# Altium PCB adc_brd_raton_v0.PcbDoc (part 4 of 5)
Units mm, origin at the board's own origin, x right, y up, seen from the top; angles counter-clockwise.
Board outline 276.61 x 128.4 mm, 2 copper layers (Top Layer, Bottom Layer); 535 components, 265 nets, 1345 pads, 548 vias.
Unrouted connection lines stored in the file: 67.
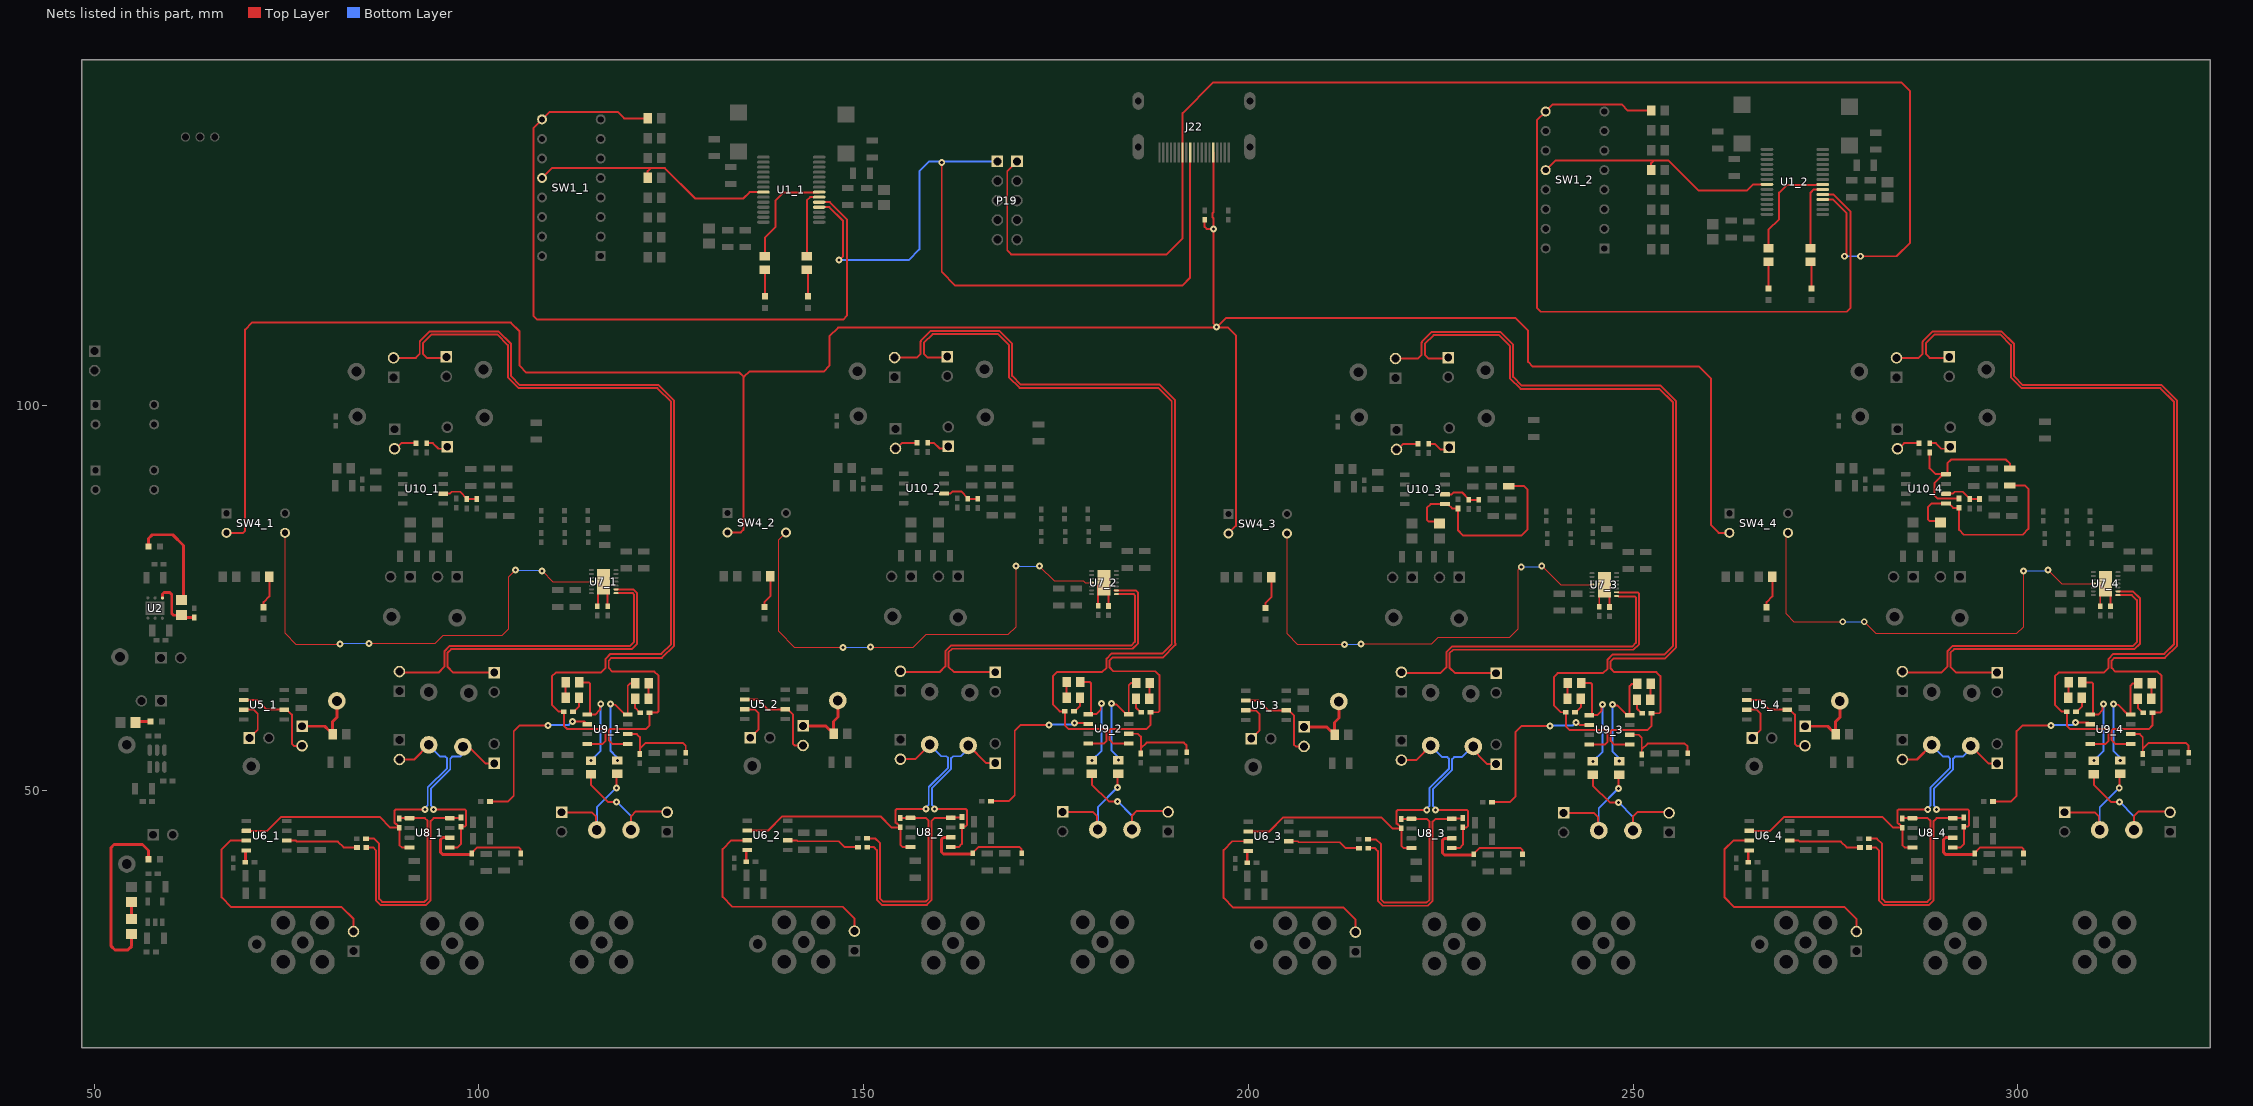
[diagram p4: the nets of this part, all layers, seen from the top]

## Via types
v1: diameter 0.9, hole 0.4, Top Layer to Bottom Layer, tented both sides, 521 vias
v2: diameter 0.9, hole 0.4, Top Layer to Bottom Layer, 23 vias
v3: diameter 6, hole 3.15, Top Layer to Bottom Layer, 4 vias

## Nets (pads, with @x,y where several pads share a name; then routed paths per layer and width w, separated by ;. In a path a pad name is that pad's centre, name@x,y a point inside that pad or via, vN(x,y) a via of type N, cw(c..) or ccw(c..) an arc to the next point about the centre after c; other vN are vias at no path point) (continued)
NetC47_3_2: C47_3.2 R35_3.1 R37_3.2 U10_3.5 | length 28.1
  Top Layer w0.254: R35_3.1@224.832,84.67 224.623,84.879 223.435,84.879 223.207,85.108 223.207,86.682 223.689,87.165 U10_3.5@225.552,87.165 225.902,87.165 226.467,86.6 R37_3.2@227.245,86.6 227.245,83.736 227.88,83.101 235.5,83.101 236.262,83.863 236.262,89.07 235.838,89.494 C47_3.2@233.849,89.494
NetC47_4_1: C47_4.1 R34_4.2 R37_4.1 U10_4.8 | length 21.8
  Top Layer w0.254: R34_4.2@288.544,93.888 288.544,91.821 289.306,91.059 U10_4.8@290.311,91.059 ; R37_4.1@292.354,87.884 289.56,87.884 289.179,88.265 289.179,89.916 289.941,90.678 289.941,90.689 U10_4.8@290.311,91.059 ; C47_4.1@298.958,91.778 298.958,92.456 298.45,92.964 291.338,92.964 290.83,92.456 290.83,91.207 290.682,91.059 U10_4.8@290.661,91.059 U10_4.8@290.311,91.059
NetC47_4_2: C47_4.2 R35_4.1 R37_4.2 U10_4.5 | length 28.1
  Top Layer w0.254: R35_4.1@289.941,84.754 289.732,84.963 288.544,84.963 288.315,85.192 288.315,86.766 288.798,87.249 U10_4.5@290.661,87.249 291.011,87.249 291.576,86.684 R37_4.2@292.354,86.684 292.354,83.82 292.989,83.185 300.609,83.185 301.371,83.947 301.371,89.154 300.947,89.578 C47_4.2@298.958,89.578
NetJ4_1_1: J4_1.1 P4_1.1 R15_1.1 | length 8.9
  Top Layer w0.381: P4_1.1@77.013,58.293 79.962,58.293 80.494,57.761 80.619,57.761 R15_1.1@80.978,57.402 ; R15_1.1@80.978,57.277 R15_1.1@80.978,57.402 ; J4_1.1@81.534,61.595 81.556,61.573 81.556,59.458 80.978,58.88 R15_1.1@80.978,57.402
NetJ4_2_1: J4_2.1 P4_2.1 R15_2.1 | length 8.9
  Top Layer w0.381: P4_2.1@142.122,58.336 145.071,58.336 145.602,57.804 145.727,57.804 R15_2.1@146.087,57.445 ; R15_2.1@146.087,57.32 R15_2.1@146.087,57.445 ; J4_2.1@146.643,61.638 146.664,61.616 146.664,59.501 146.087,58.923 R15_2.1@146.087,57.445
NetJ4_3_1: J4_3.1 P4_3.1 R15_3.1 | length 8.9
  Top Layer w0.381: P4_3.1@207.23,58.209 210.179,58.209 210.711,57.677 210.836,57.677 R15_3.1@211.195,57.318 ; R15_3.1@211.195,57.193 R15_3.1@211.195,57.318 ; J4_3.1@211.751,61.511 211.773,61.489 211.773,59.374 211.195,58.796 R15_3.1@211.195,57.318
NetJ4_4_1: J4_4.1 P4_4.1 R15_4.1 | length 8.9
  Top Layer w0.381: P4_4.1@272.339,58.293 275.288,58.293 275.819,57.761 275.944,57.761 R15_4.1@276.304,57.402 ; R15_4.1@276.304,57.277 R15_4.1@276.304,57.402 ; J4_4.1@276.86,61.595 276.882,61.573 276.882,59.458 276.304,58.88 R15_4.1@276.304,57.402
NetJ8_1_1: J8_1.1 P7_1.1 R16_1.2 U8_1.5 | length 26.7
  Top Layer w0.254: v1(94.107,47.498) 98.171,47.498 98.298,47.371 98.298,45.396 98.149,45.247 R16_1.2@97.663,45.247 97.663,42.978 97.23,42.545 U8_1.5@96.224,42.545 ; J8_1.1@98.002,55.753 98.552,55.753 100.838,53.467 P7_1.1@101.981,53.467
  Bottom Layer w0.254: v1(94.107,47.498) 94.107,47.673 93.751,48.028 93.751,50.19 96.266,52.705 96.266,54.102 96.52,54.356 97.536,54.356 98.552,55.372 J8_1.1@98.552,55.753
NetJ8_2_1: J8_2.1 P7_2.1 R16_2.2 U8_2.5 | length 26.7
  Top Layer w0.254: v1(159.216,47.541) 163.28,47.541 163.407,47.414 163.407,45.439 163.258,45.29 R16_2.2@162.772,45.29 162.772,43.021 162.339,42.588 U8_2.5@161.333,42.588 ; J8_2.1@163.111,55.796 163.661,55.796 165.947,53.51 P7_2.1@167.09,53.51
  Bottom Layer w0.254: v1(159.216,47.541) 159.216,47.716 158.86,48.071 158.86,50.233 161.375,52.748 161.375,54.145 161.629,54.399 162.645,54.399 163.661,55.415 J8_2.1@163.661,55.796
NetJ8_3_1: J8_3.1 P7_3.1 R16_3.2 U8_3.5 | length 26.7
  Top Layer w0.254: v1(224.324,47.414) 228.388,47.414 228.515,47.287 228.515,45.312 228.367,45.163 R16_3.2@227.88,45.163 227.88,42.894 227.447,42.461 U8_3.5@226.441,42.461 ; J8_3.1@228.219,55.669 228.769,55.669 231.055,53.383 P7_3.1@232.198,53.383
  Bottom Layer w0.254: v1(224.324,47.414) 224.324,47.589 223.969,47.944 223.969,50.106 226.483,52.621 226.483,54.018 226.737,54.272 227.753,54.272 228.769,55.288 J8_3.1@228.769,55.669
NetJ8_4_1: J8_4.1 P7_4.1 R16_4.2 U8_4.5 | length 26.7
  Top Layer w0.254: v1(289.433,47.498) 293.497,47.498 293.624,47.371 293.624,45.396 293.475,45.247 R16_4.2@292.989,45.247 292.989,42.978 292.556,42.545 U8_4.5@291.55,42.545 ; J8_4.1@293.328,55.753 J8_4.1@293.878,55.753 296.164,53.467 P7_4.1@297.307,53.467
  Bottom Layer w0.254: v1(289.433,47.498) 289.433,47.673 289.077,48.028 289.077,50.19 291.592,52.705 291.592,54.102 291.846,54.356 292.862,54.356 293.878,55.372 J8_4.1@293.878,55.753
NetJ11_1_1: J11_1.1 P10_1.2 R21_1.2 U6_1.2 U8_1.4 | length 47.7
  Top Layer w0.254: U6_1.2@69.765,44.704 72.479,44.704 74.303,46.528 87.076,46.528 88.484,45.12 R21_1.2@89.662,45.12 ; P10_1.2@89.662,53.975 91.567,53.975 J11_1.1@93.472,55.88 J11_1.1@93.98,55.88 ; U8_1.4@90.974,42.545 89.968,42.545 89.662,42.851 R21_1.2@89.662,45.12 ; v1(92.964,47.498) 89.176,47.498 89.027,47.349 89.027,45.742 89.176,45.593 89.264,45.593 89.662,45.195 R21_1.2@89.662,45.12
  Bottom Layer w0.254: v1@93.088,47.622 v1(92.964,47.498) 92.964,47.673 93.345,48.054 93.345,50.359 95.852,52.865 95.852,54.135 95.631,54.356 94.996,54.356 J11_1.1@93.472,55.88
NetJ11_2_1: J11_2.1 P10_2.2 R21_2.2 U6_2.2 U8_2.4 | length 47.7
  Top Layer w0.254: U6_2.2@134.874,44.747 137.588,44.747 139.412,46.571 152.184,46.571 153.593,45.163 R21_2.2@154.771,45.163 ; P10_2.2@154.771,54.018 156.676,54.018 J11_2.1@158.581,55.923 J11_2.1@159.089,55.923 ; U8_2.4@156.083,42.588 155.077,42.588 154.771,42.894 R21_2.2@154.771,45.163 ; v1(158.073,47.541) 154.284,47.541 154.136,47.392 154.136,45.785 154.284,45.636 154.373,45.636 154.771,45.238 R21_2.2@154.771,45.163
  Bottom Layer w0.254: v1@158.196,47.665 v1(158.073,47.541) 158.073,47.716 158.454,48.097 158.454,50.402 160.96,52.908 160.96,54.178 160.74,54.399 160.105,54.399 J11_2.1@158.581,55.923
NetJ11_3_1: J11_3.1 P10_3.2 R21_3.2 U6_3.2 U8_3.4 | length 47.7
  Top Layer w0.254: U6_3.2@199.982,44.62 202.696,44.62 204.521,46.444 217.293,46.444 218.701,45.036 R21_3.2@219.879,45.036 ; P10_3.2@219.879,53.891 221.784,53.891 J11_3.1@223.689,55.796 J11_3.1@224.197,55.796 ; U8_3.4@221.191,42.461 220.185,42.461 219.879,42.767 R21_3.2@219.879,45.036 ; v1(223.181,47.414) 219.393,47.414 219.244,47.265 219.244,45.658 219.393,45.509 219.481,45.509 219.879,45.111 R21_3.2@219.879,45.036
  Bottom Layer w0.254: v1@223.305,47.538 v1(223.181,47.414) 223.181,47.589 223.562,47.97 223.562,50.275 226.069,52.781 226.069,54.051 225.848,54.272 225.213,54.272 J11_3.1@223.689,55.796
NetJ11_4_1: J11_4.1 P10_4.2 R21_4.2 U6_4.2 U8_4.4 | length 47.7
  Top Layer w0.254: U6_4.2@265.091,44.704 267.805,44.704 269.629,46.528 282.402,46.528 283.81,45.12 R21_4.2@284.988,45.12 ; P10_4.2@284.988,53.975 286.893,53.975 J11_4.1@288.798,55.88 J11_4.1@289.306,55.88 ; U8_4.4@286.3,42.545 285.294,42.545 284.988,42.851 R21_4.2@284.988,45.12 ; v1(288.29,47.498) 284.502,47.498 284.353,47.349 284.353,45.742 284.502,45.593 284.59,45.593 284.988,45.195 R21_4.2@284.988,45.12
  Bottom Layer w0.254: v1@288.414,47.622 v1(288.29,47.498) 288.29,47.673 288.671,48.054 288.671,50.359 291.178,52.865 291.178,54.135 290.957,54.356 290.322,54.356 J11_4.1@288.798,55.88
NetJ12_1_1: J12_1.1 P11_1.2 R25_1.2 | length 16.9
  Top Layer w0.254: R25_1.2@114.554,52.07 114.554,50.673 116.75,48.477 v1(117.893,48.477) ; J12_1.1@119.761,44.831 119.761,46.609 120.396,47.244 124.333,47.244 P11_1.2@124.46,47.117
  Bottom Layer w0.254: v1(117.893,48.477) 119.761,46.609 J12_1.1@119.761,44.831
NetJ12_2_1: J12_2.1 P11_2.2 R25_2.2 | length 16.9
  Top Layer w0.254: R25_2.2@179.663,52.113 179.663,50.716 181.859,48.52 v1(183.002,48.52) ; J12_2.1@184.87,44.874 184.87,46.652 185.505,47.287 189.442,47.287 P11_2.2@189.569,47.16
  Bottom Layer w0.254: v1(183.002,48.52) 184.87,46.652 J12_2.1@184.87,44.874
NetJ12_3_1: J12_3.1 P11_3.2 R25_3.2 | length 16.9
  Top Layer w0.254: R25_3.2@244.771,51.986 244.771,50.589 246.967,48.393 v1(248.11,48.393) ; J12_3.1@249.978,44.747 249.978,46.525 250.613,47.16 254.55,47.16 P11_3.2@254.677,47.033
  Bottom Layer w0.254: v1(248.11,48.393) 249.978,46.525 J12_3.1@249.978,44.747
NetJ12_4_1: J12_4.1 P11_4.2 R25_4.2 | length 16.9
  Top Layer w0.254: R25_4.2@309.88,52.07 309.88,50.673 312.076,48.477 v1(313.219,48.477) ; J12_4.1@315.087,44.831 315.087,46.609 315.722,47.244 319.659,47.244 P11_4.2@319.786,47.117
  Bottom Layer w0.254: v1(313.219,48.477) 315.087,46.609 J12_4.1@315.087,44.831
NetJ14_1_1: J14_1.1 P13_1.1 R26_1.2 | length 14.9
  Top Layer w0.254: P13_1.1@110.744,47.117 114.681,47.117 115.189,46.609 115.189,44.958 J14_1.1@115.316,44.831 ; v1(117.856,50.292) 117.856,51.971 R26_1.2@117.983,52.098
  Bottom Layer w0.254: J14_1.1@115.316,44.831 115.316,47.752 v1(117.856,50.292)
NetJ14_2_1: J14_2.1 P13_2.1 R26_2.2 | length 14.9
  Top Layer w0.254: P13_2.1@175.853,47.16 179.79,47.16 180.298,46.652 180.298,45.001 J14_2.1@180.425,44.874 ; v1(182.965,50.335) 182.965,52.014 R26_2.2@183.092,52.141
  Bottom Layer w0.254: J14_2.1@180.425,44.874 180.425,47.795 v1(182.965,50.335)
NetJ14_3_1: J14_3.1 P13_3.1 R26_3.2 | length 14.9
  Top Layer w0.254: P13_3.1@240.961,47.033 244.898,47.033 245.406,46.525 245.406,44.874 J14_3.1@245.533,44.747 ; v1(248.073,50.208) 248.073,51.887 R26_3.2@248.2,52.014
  Bottom Layer w0.254: J14_3.1@245.533,44.747 245.533,47.668 v1(248.073,50.208)
NetJ14_4_1: J14_4.1 P13_4.1 R26_4.2 | length 14.9
  Top Layer w0.254: P13_4.1@306.07,47.117 310.007,47.117 310.515,46.609 310.515,44.958 J14_4.1@310.642,44.831 ; v1(313.182,50.292) 313.182,51.971 R26_4.2@313.309,52.098
  Bottom Layer w0.254: J14_4.1@310.642,44.831 310.642,47.752 v1(313.182,50.292)
NetLED1_1_2: LED1_1.2 R9_1.2 | length 4
  Top Layer w0.254: LED1_1.2@137.287,114.3 LED1_1.2@137.16,114.173 R9_1.2@137.16,117.628 R9_1.2@137.414,117.374
NetLED1_2_2: LED1_2.2 R9_2.2 | length 4
  Top Layer w0.254: LED1_2.2@267.716,115.316 LED1_2.2@267.589,115.189 R9_2.2@267.589,118.644 R9_2.2@267.843,118.39
NetLED2_1_2: LED2_1.2 R10_1.2 | length 3.5
  Top Layer w0.254: R10_1.2@142.621,117.628 142.748,117.501 LED2_1.2@142.748,114.173
NetLED2_2_2: LED2_2.2 R10_2.2 | length 3.5
  Top Layer w0.254: R10_2.2@273.05,118.644 273.177,118.517 LED2_2.2@273.177,115.189
NetLED3_2: LED3.2 R13.1 | length 13.6
  Top Layer w0.381: LED3.2@57.035,81.661 57.035,82.689 57.531,83.185 60.198,83.185 61.595,81.788 61.595,74.93 R13.1@61.341,74.676
NetLED4_2: LED4.2 R14.1 | length 24.3
  Top Layer w0.381: R14.1@54.864,31.324 54.864,29.718 54.356,29.21 52.705,29.21 52.197,29.718 52.197,42.545 52.578,42.926 56.261,42.926 57.047,42.14 LED4.2@57.047,41.021 LED4.2@56.837,41.231
NetLED5_1_2: LED5_1.2 R69_1.2 | length 4.3
  Top Layer w0.254: LED5_1.2@72.009,73.763 72.009,74.422 72.757,75.17 R69_1.2@72.757,77.724
NetLED5_2_2: LED5_2.2 R69_2.2 | length 4.3
  Top Layer w0.254: LED5_2.2@137.118,73.806 137.118,74.465 137.866,75.213 R69_2.2@137.866,77.767
NetLED5_3_2: LED5_3.2 R69_3.2 | length 4.3
  Top Layer w0.254: LED5_3.2@202.226,73.679 202.226,74.338 202.974,75.086 R69_3.2@202.974,77.64
NetLED5_4_2: LED5_4.2 R69_4.2 | length 4.3
  Top Layer w0.254: LED5_4.2@267.335,73.763 267.335,74.422 268.083,75.17 R69_4.2@268.083,77.724
NetLED6_2: LED6.2 R80.2 | length 2
  Top Layer w0.381: R80.2@55.331,58.801 55.458,58.928 LED6.2@57.301,58.928
NetP4_1_2: P4_1.2 U5_1.2 U5_1.6 | length 12.3
  Top Layer w0.254: U5_1.2@69.435,61.722 71.12,61.722 72.39,60.452 U5_1.6@74.685,60.452 75.035,60.452 75.692,59.795 75.692,56.007 75.946,55.753 P4_1.2@77.013,55.753
NetP4_2_2: P4_2.2 U5_2.2 U5_2.6 | length 12.3
  Top Layer w0.254: U5_2.2@134.544,61.765 136.229,61.765 137.499,60.495 U5_2.6@139.794,60.495 140.144,60.495 140.801,59.838 140.801,56.05 141.055,55.796 P4_2.2@142.122,55.796
NetP4_3_2: P4_3.2 U5_3.2 U5_3.6 | length 12.3
  Top Layer w0.254: U5_3.2@199.652,61.638 201.337,61.638 202.607,60.368 U5_3.6@204.902,60.368 205.252,60.368 205.909,59.711 205.909,55.923 206.163,55.669 P4_3.2@207.23,55.669
NetP4_4_2: P4_4.2 U5_4.2 U5_4.6 | length 12.3
  Top Layer w0.254: U5_4.2@264.761,61.722 266.446,61.722 267.716,60.452 U5_4.6@270.011,60.452 270.361,60.452 271.018,59.795 271.018,56.007 271.272,55.753 P4_4.2@272.339,55.753
NetP5_1_1: P5_1.1 U5_1.3 | length 5.6
  Top Layer w0.254: U5_1.3@69.435,60.452 70.739,60.452 71.247,59.944 71.247,57.861 P5_1.1@70.155,56.769
NetP5_2_1: P5_2.1 U5_2.3 | length 5.6
  Top Layer w0.254: U5_2.3@134.544,60.495 135.848,60.495 136.356,59.987 136.356,57.904 P5_2.1@135.264,56.812
NetP5_3_1: P5_3.1 U5_3.3 | length 5.6
  Top Layer w0.254: U5_3.3@199.652,60.368 200.956,60.368 201.464,59.86 201.464,57.777 P5_3.1@200.372,56.685
NetP5_4_1: P5_4.1 U5_4.3 | length 5.6
  Top Layer w0.254: U5_4.3@264.761,60.452 266.065,60.452 266.573,59.944 266.573,57.861 P5_4.1@265.481,56.769
NetP6_1_2: P6_1.2 U6_1.3 | length 29.9
  Top Layer w0.254: U6_1.3@69.765,43.434 67.691,43.434 66.548,42.291 66.548,36.068 67.818,34.798 82.169,34.798 83.693,33.274 P6_1.2@83.693,31.623
NetP6_2_2: P6_2.2 U6_2.3 | length 29.9
  Top Layer w0.254: U6_2.3@134.874,43.477 132.8,43.477 131.657,42.334 131.657,36.111 132.927,34.841 147.278,34.841 148.802,33.317 P6_2.2@148.802,31.666
NetP6_3_2: P6_3.2 U6_3.3 | length 29.9
  Top Layer w0.254: U6_3.3@199.982,43.35 197.908,43.35 196.765,42.207 196.765,35.984 198.035,34.714 212.386,34.714 213.91,33.19 P6_3.2@213.91,31.539
NetP6_4_2: P6_4.2 U6_4.3 | length 29.9
  Top Layer w0.254: U6_4.3@265.091,43.434 263.017,43.434 261.874,42.291 261.874,36.068 263.144,34.798 277.495,34.798 279.019,33.274 P6_4.2@279.019,31.623
NetP8_1_2: P8_1.2 U7_1.8 | length 41.9
  Top Layer w0.254: P8_1.2@89.662,65.405 89.789,65.278 94.742,65.278 95.504,66.04 95.504,68.012 96.225,68.732 119.659,68.732 120.142,69.215 120.142,75.438 119.991,75.589 U7_1.8@117.805,75.589
NetP8_2_2: P8_2.2 U7_2.8 | length 41.9
  Top Layer w0.254: P8_2.2@154.771,65.448 154.898,65.321 159.851,65.321 160.613,66.083 160.613,68.055 161.333,68.775 184.768,68.775 185.251,69.258 185.251,75.313 185.102,75.462 U7_2.8@182.829,75.462
NetP8_3_2: P8_3.2 U7_3.8 | length 41.8
  Top Layer w0.254: P8_3.2@219.879,65.321 220.006,65.194 224.959,65.194 225.721,65.956 225.721,67.928 226.442,68.648 249.877,68.648 250.359,69.131 250.359,75.035 250.211,75.184 248.073,75.184 248.049,75.208 U7_3.8@247.853,75.208
NetP8_4_2: P8_4.2 U7_4.8 | length 41.7
  Top Layer w0.254: P8_4.2@284.988,65.405 285.115,65.278 290.068,65.278 290.83,66.04 290.83,68.012 291.551,68.732 314.985,68.732 315.468,69.215 315.468,74.676 314.809,75.335 U7_4.8@312.77,75.335
NetP9_1_1: P9_1.1 U7_1.9 | length 43
  Top Layer w0.254: P9_1.1@101.981,65.278 96.647,65.278 95.91,66.015 95.91,67.843 96.393,68.326 119.828,68.326 120.548,69.047 120.548,75.606 120.082,76.073 U7_1.9@117.654,76.073
NetP9_2_1: P9_2.1 U7_2.9 | length 43.1
  Top Layer w0.254: P9_2.1@167.09,65.321 161.756,65.321 161.019,66.058 161.019,67.886 161.502,68.369 184.936,68.369 185.657,69.09 185.657,75.649 185.344,75.962 U7_2.9@182.579,75.962
NetP9_3_1: P9_3.1 U7_3.9 | length 42.7
  Top Layer w0.254: P9_3.1@232.198,65.194 226.864,65.194 226.128,65.931 226.128,67.759 226.61,68.242 250.045,68.242 250.766,68.963 250.766,75.522 250.596,75.692 248.065,75.692 U7_3.9@248.051,75.706
NetP9_4_1: P9_4.1 U7_4.9 | length 42.5
  Top Layer w0.254: P9_4.1@297.307,65.278 291.973,65.278 291.236,66.015 291.236,67.843 291.719,68.326 315.154,68.326 315.874,69.047 315.874,74.905 314.96,75.819 313.216,75.819 313.2,75.835 U7_4.9@313.004,75.835
NetP12_1_1: P12_1.1 R24_1.2 U9_1.4 | length 110
  Top Layer w0.254: P12_1.1@95.758,106.299 95.631,106.172 93.218,106.172 92.71,106.68 92.71,108.077 93.853,109.22 102.362,109.22 103.759,107.823 103.759,103.632 105.156,102.235 123.19,102.235 124.968,100.457 124.968,68.945 123.714,67.691 117.094,67.691 116.459,67.056 116.459,65.881 115.856,65.278 109.982,65.278 109.474,64.77 109.474,61.087 110.363,60.198 R24_1.2@111.033,60.198 111.033,58.385 111.506,57.912 116.31,57.912 116.459,57.763 116.459,56.388 116.078,56.007 U9_1.4@114.088,56.007
NetP12_2_1: P12_2.1 R24_2.2 U9_2.4 | length 109.9
  Top Layer w0.254: P12_2.1@160.867,106.342 160.74,106.215 158.327,106.215 157.819,106.723 157.819,108.12 158.962,109.263 167.471,109.263 168.868,107.866 168.868,103.675 170.265,102.278 188.299,102.278 190.036,100.541 190.036,68.963 188.807,67.734 182.203,67.734 181.568,67.099 181.568,65.924 180.964,65.321 175.091,65.321 174.583,64.813 174.583,61.13 175.472,60.241 R24_2.2@176.142,60.241 176.142,58.428 176.615,57.955 181.419,57.955 181.568,57.806 181.568,56.431 181.187,56.05 U9_2.4@179.197,56.05
NetP12_3_1: P12_3.1 R24_3.2 U9_3.4 | length 110
  Top Layer w0.254: P12_3.1@225.975,106.215 225.848,106.088 223.435,106.088 222.927,106.596 222.927,107.993 224.07,109.136 232.579,109.136 233.976,107.739 233.976,103.548 235.373,102.151 253.407,102.151 255.185,100.373 255.185,68.734 254.059,67.607 247.311,67.607 246.676,66.972 246.676,65.797 246.073,65.194 240.199,65.194 239.691,64.686 239.691,61.003 240.58,60.114 R24_3.2@241.25,60.114 241.25,58.301 241.723,57.828 246.528,57.828 246.676,57.679 246.676,56.304 246.295,55.923 U9_3.4@244.305,55.923
NetP12_4_1: P12_4.1 R24_4.2 U9_4.4 | length 110
  Top Layer w0.254: P12_4.1@291.084,106.299 290.957,106.172 288.544,106.172 288.036,106.68 288.036,108.077 289.179,109.22 297.688,109.22 299.085,107.823 299.085,103.632 300.482,102.235 318.516,102.235 320.294,100.457 320.294,68.945 319.04,67.691 312.42,67.691 311.785,67.056 311.785,65.881 311.182,65.278 305.308,65.278 304.8,64.77 304.8,61.087 305.689,60.198 R24_4.2@306.359,60.198 306.359,58.385 306.832,57.912 311.636,57.912 311.785,57.763 311.785,56.388 311.404,56.007 U9_4.4@309.414,56.007
NetP14_1_2: P14_1.2 R29_1.2 U9_1.5 | length 111.1
  Top Layer w0.254: P14_1.2@88.9,106.172 91.796,106.172 92.304,106.68 92.304,108.245 92.329,108.271 92.329,108.331 93.624,109.626 102.53,109.626 104.18,107.977 104.18,103.786 105.324,102.641 123.358,102.641 125.374,100.625 125.374,68.777 123.78,67.183 117.221,67.183 116.865,66.827 116.865,65.888 117.348,65.405 122.809,65.405 123.317,64.897 123.317,60.22 123.168,60.071 R29_1.2@122.174,60.071 122.174,58.42 121.666,57.912 117.014,57.912 116.865,57.763 116.865,56.49 117.348,56.007 U9_1.5@119.338,56.007
NetP14_2_2: P14_2.2 R29_2.2 U9_2.5 | length 111.1
  Top Layer w0.254: P14_2.2@154.009,106.215 156.904,106.215 157.412,106.723 157.412,108.288 157.438,108.314 157.438,108.374 158.733,109.669 167.639,109.669 169.288,108.02 169.288,103.829 170.433,102.684 188.467,102.684 190.442,100.709 190.442,69.146 190.513,69.076 190.513,68.865 188.873,67.226 182.33,67.226 181.974,66.87 181.974,65.931 182.457,65.448 187.918,65.448 188.426,64.94 188.426,60.263 188.277,60.114 R29_2.2@187.283,60.114 187.283,58.463 186.775,57.955 182.123,57.955 181.974,57.806 181.974,56.533 182.457,56.05 U9_2.5@184.447,56.05
NetP14_3_2: P14_3.2 R29_3.2 U9_3.5 | length 111.1
  Top Layer w0.254: P14_3.2@219.117,106.088 222.013,106.088 222.521,106.596 222.521,108.161 222.546,108.187 222.546,108.247 223.842,109.542 232.748,109.542 234.397,107.893 234.397,103.702 235.542,102.557 253.576,102.557 255.592,100.541 255.592,68.565 254.125,67.099 247.438,67.099 247.083,66.743 247.083,65.804 247.565,65.321 253.026,65.321 253.534,64.813 253.534,60.136 253.386,59.987 R29_3.2@252.391,59.987 252.391,58.336 251.883,57.828 247.232,57.828 247.083,57.679 247.083,56.406 247.565,55.923 U9_3.5@249.555,55.923
NetP14_4_2: P14_4.2 R29_4.2 U9_4.5 | length 111.1
  Top Layer w0.254: P14_4.2@284.226,106.172 287.122,106.172 287.63,106.68 287.63,108.245 287.655,108.271 287.655,108.331 288.95,109.626 297.856,109.626 299.506,107.977 299.506,103.786 300.65,102.641 318.684,102.641 320.7,100.625 320.7,68.777 319.106,67.183 312.547,67.183 312.191,66.827 312.191,65.888 312.674,65.405 318.135,65.405 318.643,64.897 318.643,60.22 318.494,60.071 R29_4.2@317.5,60.071 317.5,58.42 316.992,57.912 312.34,57.912 312.191,57.763 312.191,56.49 312.674,56.007 U9_4.5@314.664,56.007
NetP15_1_2: P15_1.2 R33_1.1 | length 3.1
  Top Layer w0.254: P15_1.2@89.027,94.361 89.172,94.361 89.899,95.088 R33_1.1@91.821,95.088
NetP15_2_2: P15_2.2 R33_2.1 | length 3.1
  Top Layer w0.254: P15_2.2@154.136,94.404 154.281,94.404 155.008,95.131 R33_2.1@156.93,95.131
NetP15_3_2: P15_3.2 R33_3.1 | length 3.1
  Top Layer w0.254: P15_3.2@219.244,94.277 219.39,94.277 220.117,95.004 R33_3.1@222.038,95.004
NetP15_4_2: P15_4.2 R33_4.1 | length 3.1
  Top Layer w0.254: P15_4.2@284.353,94.361 284.498,94.361 285.225,95.088 R33_4.1@287.147,95.088
NetP17_1_1: P17_1.1 R34_1.1 | length 3.1
  Top Layer w0.254: R34_1.1@93.218,95.088 94.015,95.088 94.742,94.361 95.631,94.361 P17_1.1@95.885,94.615
NetP17_2_1: P17_2.1 R34_2.1 | length 3.1
  Top Layer w0.254: R34_2.1@158.327,95.131 159.124,95.131 159.851,94.404 160.74,94.404 P17_2.1@160.994,94.658
NetP17_3_1: P17_3.1 R34_3.1 | length 3.1
  Top Layer w0.254: R34_3.1@223.435,95.004 224.232,95.004 224.959,94.277 225.848,94.277 P17_3.1@226.102,94.531
NetP17_4_1: P17_4.1 R34_4.1 | length 3.1
  Top Layer w0.254: R34_4.1@288.544,95.088 289.341,95.088 290.068,94.361 290.957,94.361 P17_4.1@291.211,94.615
NetR9_1_1: R9_1.1 U1_1.21 | length 13.9
  Top Layer w0.254: R9_1.1@137.16,119.378 137.16,121.805 138.557,123.202 138.557,126.631 139.573,127.647 143.341,127.647 143.378,127.684 144.195,127.684 U1_1.21@144.214,127.703
NetR9_2_1: R9_2.1 U1_2.21 | length 13.9
  Top Layer w0.254: R9_2.1@267.589,120.394 267.589,122.821 268.986,124.218 268.986,127.647 270.002,128.663 273.77,128.663 273.807,128.7 274.624,128.7 U1_2.21@274.643,128.719
NetR10_1_1: R10_1.1 U1_1.20 | length 9
  Top Layer w0.254: R10_1.1@142.621,119.378 142.621,126.631 143.043,127.053 U1_1.20@144.214,127.053
NetR10_2_1: R10_2.1 U1_2.20 | length 9
  Top Layer w0.254: R10_2.1@273.05,120.394 273.05,127.647 273.472,128.069 U1_2.20@274.643,128.069
NetR11_1: R11.1 R13.2 U2.4 | length 7.5
  Top Layer w0.381: U2.4@58.862,74.979 58.862,75.469 59.085,75.692 59.817,75.692 60.071,75.438 60.071,72.949 60.294,72.726 R13.2@61.341,72.726 61.642,72.425 R11.1@62.992,72.425
NetR12_1: R12.1 R14.2 | length 2.2
  Top Layer w0.381: R14.2@54.864,33.274 R12.1@54.864,35.433
NetR16_1_1: R16_1.1 R17_1.2 U8_1.8 | length 30
  Top Layer w0.254: R17_1.2@85.344,42.545 86.233,42.545 86.614,42.164 86.614,35.687 87.249,35.052 93.091,35.052 93.726,35.687 93.726,45.974 94.107,46.355 U8_1.8@96.224,46.355 U8_1.8@96.393,46.524 ; U8_1.8@96.393,46.401 97.617,46.401 R16_1.1@97.663,46.447
NetR16_2_1: R16_2.1 R17_2.2 U8_2.8 | length 30
  Top Layer w0.254: R17_2.2@150.453,42.588 151.342,42.588 151.723,42.207 151.723,35.73 152.358,35.095 158.2,35.095 158.835,35.73 158.835,46.017 159.216,46.398 U8_2.8@161.333,46.398 U8_2.8@161.502,46.567 ; U8_2.8@161.502,46.444 162.726,46.444 R16_2.1@162.772,46.49
NetR16_3_1: R16_3.1 R17_3.2 U8_3.8 | length 30
  Top Layer w0.254: R17_3.2@215.561,42.461 216.45,42.461 216.831,42.08 216.831,35.603 217.466,34.968 223.308,34.968 223.943,35.603 223.943,45.89 224.324,46.271 U8_3.8@226.441,46.271 U8_3.8@226.61,46.44 ; U8_3.8@226.61,46.317 227.834,46.317 R16_3.1@227.88,46.363
NetR16_4_1: R16_4.1 R17_4.2 U8_4.8 | length 30
  Top Layer w0.254: R17_4.2@280.67,42.545 281.559,42.545 281.94,42.164 281.94,35.687 282.575,35.052 288.417,35.052 289.052,35.687 289.052,45.974 289.433,46.355 U8_4.8@291.55,46.355 U8_4.8@291.719,46.524 ; U8_4.8@291.719,46.401 292.943,46.401 R16_4.1@292.989,46.447
NetR17_1_1: R17_1.1 U6_1.6 | length 9.5
  Top Layer w0.254: U6_1.6@75.015,43.434 76.2,43.434 76.327,43.307 81.661,43.307 82.423,42.545 R17_1.1@84.144,42.545
NetR17_2_1: R17_2.1 U6_2.6 | length 9.5
  Top Layer w0.254: U6_2.6@140.124,43.477 141.309,43.477 141.436,43.35 146.77,43.35 147.532,42.588 R17_2.1@149.253,42.588
NetR17_3_1: R17_3.1 U6_3.6 | length 9.5
  Top Layer w0.254: U6_3.6@205.232,43.35 206.417,43.35 206.544,43.223 211.878,43.223 212.64,42.461 R17_3.1@214.361,42.461
NetR17_4_1: R17_4.1 U6_4.6 | length 9.5
  Top Layer w0.254: U6_4.6@270.341,43.434 271.526,43.434 271.653,43.307 276.987,43.307 277.749,42.545 R17_4.1@279.47,42.545
NetR18_1_2: R18_1.2 R21_1.1 U8_1.1 | length 29.8
  Top Layer w0.254: R18_1.2@85.309,43.688 86.36,43.688 87.02,43.028 87.02,35.855 87.417,35.458 92.923,35.458 93.32,35.855 93.32,45.999 92.964,46.355 U8_1.1@90.974,46.355 89.662,46.355 R21_1.1@89.662,46.32
NetR18_2_2: R18_2.2 R21_2.1 U8_2.1 | length 29.8
  Top Layer w0.254: R18_2.2@150.418,43.731 151.469,43.731 152.129,43.071 152.129,35.898 152.526,35.501 158.031,35.501 158.428,35.898 158.428,46.042 158.073,46.398 U8_2.1@156.083,46.398 154.771,46.398 R21_2.1@154.771,46.363
NetR18_3_2: R18_3.2 R21_3.1 U8_3.1 | length 29.8
  Top Layer w0.254: R18_3.2@215.526,43.604 216.577,43.604 217.238,42.944 217.238,35.771 217.635,35.374 223.14,35.374 223.537,35.771 223.537,45.915 223.181,46.271 U8_3.1@221.191,46.271 219.879,46.271 R21_3.1@219.879,46.236
NetR18_4_2: R18_4.2 R21_4.1 U8_4.1 | length 29.8
  Top Layer w0.254: R18_4.2@280.635,43.688 281.686,43.688 282.346,43.028 282.346,35.855 282.743,35.458 288.249,35.458 288.646,35.855 288.646,45.999 288.29,46.355 U8_4.1@286.3,46.355 284.988,46.355 R21_4.1@284.988,46.32
NetR19_1_2: R19_1.2 R20_1.2 U7_1.15 | length 6.9
  Top Layer w0.254: R19_1.2@115.382,73.906 115.482,74.006 115.482,76.366 U7_1.15@116.205,77.089 116.205,76.835 116.581,76.459 116.713,76.327 R20_1.2@116.713,73.879
NetR19_2_2: R19_2.2 R20_2.2 U7_2.15 | length 6.9
  Top Layer w0.254: R19_2.2@180.49,73.949 180.429,74.01 180.429,76.501 180.974,77.047 181.144,77.047 181.822,76.369 R20_2.2@181.822,73.922
NetR19_3_2: R19_3.2 R20_3.2 U7_3.15 | length 6.4
  Top Layer w0.254: R19_3.2@245.599,73.822 245.599,76.054 U7_3.15@246.253,76.708 246.93,76.031 R20_3.2@246.93,73.795
NetR19_4_2: R19_4.2 R20_4.2 U7_4.15 | length 6.5
  Top Layer w0.254: R19_4.2@310.707,73.906 310.707,76.138 U7_4.15@311.404,76.835 311.78,76.459 311.907,76.459 312.039,76.327 R20_4.2@312.039,73.879
NetR22_1_1: R22_1.1 R25_1.1 U9_1.1 | length 16.2
  Top Layer w0.254: R22_1.1@113.016,64.008 114.278,64.008 114.427,63.859 114.427,59.965 U9_1.1@114.279,59.817 ; U9_1.1@114.088,59.817 U9_1.1@114.279,59.817 ; v1(115.824,61.214) 115.7,61.09 115.7,60.423 115.094,59.817 U9_1.1@114.279,59.817
  Bottom Layer w0.254: v1(114.554,53.82) 115.824,55.09 v1(115.824,61.214)
NetR22_1_2: R22_1.2 R23_1.1 | length 2
  Top Layer w0.254: R23_1.1@111.252,61.976 111.252,63.994 R22_1.2@111.266,64.008
NetR22_2_1: R22_2.1 R25_2.1 U9_2.1 | length 16.2
  Top Layer w0.254: R22_2.1@178.125,64.051 179.387,64.051 179.536,63.902 179.536,60.008 U9_2.1@179.388,59.86 ; U9_2.1@179.197,59.86 U9_2.1@179.388,59.86 ; v1(180.933,61.257) 180.809,61.133 180.809,60.466 180.203,59.86 U9_2.1@179.388,59.86
  Bottom Layer w0.254: v1(179.663,53.863) 180.933,55.133 v1(180.933,61.257)
NetR22_2_2: R22_2.2 R23_2.1 | length 2
  Top Layer w0.254: R23_2.1@176.361,62.019 176.361,64.037 R22_2.2@176.375,64.051
NetR22_3_1: R22_3.1 R25_3.1 U9_3.1 | length 16.2
  Top Layer w0.254: R22_3.1@243.233,63.924 244.496,63.924 244.644,63.775 244.644,59.881 U9_3.1@244.496,59.733 ; U9_3.1@244.305,59.733 U9_3.1@244.496,59.733 ; v1(246.041,61.13) 245.918,61.006 245.918,60.339 245.311,59.733 U9_3.1@244.496,59.733
  Bottom Layer w0.254: v1(244.771,53.736) 246.041,55.006 v1(246.041,61.13)
NetR22_3_2: R22_3.2 R23_3.1 | length 2
  Top Layer w0.254: R23_3.1@241.469,61.892 241.469,63.91 R22_3.2@241.483,63.924
NetR22_4_1: R22_4.1 R25_4.1 U9_4.1 | length 16.2
  Top Layer w0.254: R22_4.1@308.342,64.008 309.604,64.008 309.753,63.859 309.753,59.965 U9_4.1@309.605,59.817 ; U9_4.1@309.414,59.817 U9_4.1@309.605,59.817 ; v1(311.15,61.214) 311.026,61.09 311.026,60.423 310.42,59.817 U9_4.1@309.605,59.817
  Bottom Layer w0.254: v1(309.88,53.82) 311.15,55.09 v1(311.15,61.214)
NetR22_4_2: R22_4.2 R23_4.1 | length 2
  Top Layer w0.254: R23_4.1@306.578,61.976 306.578,63.994 R22_4.2@306.592,64.008
NetR23_1_2: R23_1.2 R24_1.1 | length 2.2
  Top Layer w0.254: R24_1.1@112.233,60.198 112.308,60.198 113.03,60.92 113.03,61.948 R23_1.2@113.002,61.976
NetR23_2_2: R23_2.2 R24_2.1 | length 2.2
  Top Layer w0.254: R24_2.1@177.342,60.241 177.417,60.241 178.139,60.963 178.139,61.991 R23_2.2@178.111,62.019
NetR23_3_2: R23_3.2 R24_3.1 | length 2.2
  Top Layer w0.254: R24_3.1@242.45,60.114 242.525,60.114 243.247,60.836 243.247,61.864 R23_3.2@243.219,61.892
NetR23_4_2: R23_4.2 R24_4.1 | length 2.2
  Top Layer w0.254: R24_4.1@307.559,60.198 307.634,60.198 308.356,60.92 308.356,61.948 R23_4.2@308.328,61.976
NetR26_1_1: R26_1.1 R27_1.1 U9_1.8 | length 15.4
  Top Layer w0.254: v1(117.094,61.214) 117.218,61.09 117.715,61.09 118.988,59.817 U9_1.8@119.338,59.817 119.338,63.585 119.634,63.881 R27_1.1@120.297,63.881
  Bottom Layer w0.254: v1(117.094,61.214) 117.094,55.118 117.859,54.353 117.859,53.972 v1(117.983,53.848)
NetR26_2_1: R26_2.1 R27_2.1 U9_2.8 | length 15.4
  Top Layer w0.254: v1(182.203,61.257) 182.326,61.133 182.823,61.133 184.097,59.86 U9_2.8@184.447,59.86 184.447,63.628 184.743,63.924 R27_2.1@185.406,63.924
  Bottom Layer w0.254: v1(182.203,61.257) 182.203,55.161 182.968,54.396 182.968,54.015 v1(183.092,53.891)
NetR26_3_1: R26_3.1 R27_3.1 U9_3.8 | length 15.4
  Top Layer w0.254: v1(247.311,61.13) 247.435,61.006 247.932,61.006 249.205,59.733 U9_3.8@249.555,59.733 249.555,63.501 249.851,63.797 R27_3.1@250.514,63.797
  Bottom Layer w0.254: v1(247.311,61.13) 247.311,55.034 248.077,54.269 248.077,53.888 v1(248.2,53.764)
NetR26_4_1: R26_4.1 R27_4.1 U9_4.8 | length 15.4
  Top Layer w0.254: v1(312.42,61.214) 312.544,61.09 313.041,61.09 314.314,59.817 U9_4.8@314.664,59.817 314.664,63.585 314.96,63.881 R27_4.1@315.623,63.881
  Bottom Layer w0.254: v1(312.42,61.214) 312.42,55.118 313.185,54.353 313.185,53.972 v1(313.309,53.848)
NetR27_1_2: R27_1.2 R28_1.1 | length 2
  Top Layer w0.254: R28_1.1@122.033,61.849 122.033,63.867 R27_1.2@122.047,63.881
NetR27_2_2: R27_2.2 R28_2.1 | length 2
  Top Layer w0.254: R28_2.1@187.142,61.892 187.142,63.91 R27_2.2@187.156,63.924
NetR27_3_2: R27_3.2 R28_3.1 | length 2
  Top Layer w0.254: R28_3.1@252.25,61.765 252.25,63.783 R27_3.2@252.264,63.797
NetR27_4_2: R27_4.2 R28_4.1 | length 2
  Top Layer w0.254: R28_4.1@317.359,61.849 317.359,63.867 R27_4.2@317.373,63.881
NetR28_1_2: R28_1.2 R29_1.1 | length 2.1
  Top Layer w0.254: R28_1.2@120.283,61.849 120.283,60.687 120.899,60.071 R29_1.1@120.974,60.071
NetR28_2_2: R28_2.2 R29_2.1 | length 2.1
  Top Layer w0.254: R28_2.2@185.392,61.892 185.392,60.73 186.008,60.114 R29_2.1@186.083,60.114
NetR28_3_2: R28_3.2 R29_3.1 | length 2.1
  Top Layer w0.254: R28_3.2@250.5,61.765 250.5,60.603 251.116,59.987 R29_3.1@251.191,59.987
NetR28_4_2: R28_4.2 R29_4.1 | length 2.1
  Top Layer w0.254: R28_4.2@315.609,61.849 315.609,60.687 316.225,60.071 R29_4.1@316.3,60.071
NetR71_1_1: R71_1.1 R72_1.2 U10_1.6 | length 4.9
  Top Layer w0.254: U10_1.6@95.335,88.519 96.207,88.519 96.461,88.773 97.541,88.773 98.425,87.889 R72_1.2@98.425,87.814 R71_1.1@99.695,87.814
NetR71_2_1: R71_2.1 R72_2.2 U10_2.6 | length 4.9
  Top Layer w0.254: U10_2.6@160.444,88.562 161.316,88.562 161.57,88.816 162.65,88.816 163.534,87.932 R72_2.2@163.534,87.857 R71_2.1@164.804,87.857
NetR71_3_1: R71_3.1 R72_3.2 U10_3.6 | length 4.9
  Top Layer w0.254: U10_3.6@225.552,88.435 226.425,88.435 226.679,88.689 227.758,88.689 228.642,87.805 R72_3.2@228.642,87.73 R71_3.1@229.912,87.73
NetR71_4_1: R71_4.1 R72_4.2 U10_4.6 | length 4.9
  Top Layer w0.254: U10_4.6@290.661,88.519 291.533,88.519 291.787,88.773 292.867,88.773 293.751,87.889 R72_4.2@293.751,87.814 R71_4.1@295.021,87.814
NetR73_1_1: R73_1.1 U9_1.2 | length 22.1
  Top Layer w0.254: R73_1.1@101.438,48.514 103.759,48.514 104.521,49.276 104.521,57.658 105.283,58.42 v1@108.712,58.42 ; v1@112.268,58.674 112.141,58.801 v1(112.141,58.928) 113.707,58.928 U9_1.2@114.088,58.547
  Bottom Layer w0.254: v1(108.966,58.42) 109.029,58.483 111.697,58.483 v1(112.141,58.928)
NetR73_2_1: R73_2.1 U9_2.2 | length 21.6
  Top Layer w0.254: R73_2.1@166.547,48.557 168.868,48.557 169.63,49.319 169.63,57.701 170.392,58.463 v1@173.821,58.463 ; v1(177.377,58.717) 179.07,58.717 U9_2.2@179.197,58.59
  Bottom Layer w0.254: v1(174.075,58.463) 174.138,58.526 177.186,58.526 v1(177.377,58.717)
NetR73_3_1: R73_3.1 U9_3.2 | length 21.7
  Top Layer w0.254: R73_3.1@231.655,48.43 233.976,48.43 234.738,49.192 234.738,57.574 235.5,58.336 v1@238.929,58.336 ; v1(242.57,58.801) 242.704,58.801 243.042,58.463 U9_3.2@244.305,58.463
  Bottom Layer w0.254: v1(239.183,58.336) 239.247,58.399 242.168,58.399 v1(242.57,58.801)
NetR73_4_1: R73_4.1 U9_4.2 | length 21.9
  Top Layer w0.254: R73_4.1@296.764,48.514 299.085,48.514 299.847,49.276 299.847,57.658 300.609,58.42 v1@304.038,58.42 ; v1@307.594,58.674 v1(307.467,58.801) 309.16,58.801 U9_4.2@309.414,58.547
  Bottom Layer w0.254: v1(304.292,58.42) 304.355,58.483 307.149,58.483 v1(307.467,58.801)
NetR74_1_2: R74_1.2 R75_1.1 U9_1.6 | length 11.2
  Top Layer w0.254: U9_1.6@119.338,57.277 120.523,57.277 120.904,56.896 120.904,55.372 ; R74_1.2@120.904,54.702 120.904,55.372 ; R75_1.1@126.873,54.864 126.873,55.753 126.492,56.134 121.666,56.134 120.904,55.372
NetR74_2_2: R74_2.2 R75_2.1 U9_2.6 | length 11.2
  Top Layer w0.254: U9_2.6@184.447,57.32 185.632,57.32 186.013,56.939 186.013,55.415 ; R74_2.2@186.013,54.745 186.013,55.415 ; R75_2.1@191.982,54.907 191.982,55.796 191.601,56.177 186.775,56.177 186.013,55.415
NetR74_3_2: R74_3.2 R75_3.1 U9_3.6 | length 11.2
  Top Layer w0.254: U9_3.6@249.555,57.193 250.74,57.193 251.121,56.812 251.121,55.288 ; R74_3.2@251.121,54.618 251.121,55.288 ; R75_3.1@257.09,54.78 257.09,55.669 256.709,56.05 251.883,56.05 251.121,55.288
NetR74_4_2: R74_4.2 R75_4.1 U9_4.6 | length 11.2
  Top Layer w0.254: U9_4.6@314.664,57.277 315.849,57.277 316.23,56.896 316.23,55.372 ; R74_4.2@316.23,54.702 316.23,55.372 ; R75_4.1@322.199,54.864 322.199,55.753 321.818,56.134 316.992,56.134 316.23,55.372
NetR76_1_2: R76_1.2 U6_1.4 | length 1.6
  Top Layer w0.381: R76_1.2@69.631,40.64 69.631,42.079 69.715,42.164 U6_1.4@69.765,42.164
NetR76_2_2: R76_2.2 U6_2.4 | length 1.6
  Top Layer w0.381: R76_2.2@134.74,40.683 134.74,42.122 134.824,42.207 U6_2.4@134.874,42.207
NetR76_3_2: R76_3.2 U6_3.4 | length 1.6
  Top Layer w0.381: R76_3.2@199.848,40.556 199.848,41.995 199.933,42.08 U6_3.4@199.982,42.08
NetR76_4_2: R76_4.2 U6_4.4 | length 1.6
  Top Layer w0.381: R76_4.2@264.957,40.64 264.957,42.079 265.041,42.164 U6_4.4@265.091,42.164
NetR77_1_1: R77_1.1 R79_1.2 U8_1.6 | length 14.6
  Top Layer w0.254: R77_1.1@99.06,41.748 99.06,41.823 99.782,42.545 105.156,42.545 105.41,42.291 R79_1.2@105.41,41.748
  Top Layer w0.381: U8_1.6@96.224,43.815 95.25,43.815 94.996,43.561 94.996,41.91 95.25,41.656 98.968,41.656 R77_1.1@99.06,41.748
NetR77_2_1: R77_2.1 R79_2.2 U8_2.6 | length 14.6
  Top Layer w0.254: R77_2.1@164.169,41.791 164.169,41.866 164.891,42.588 170.265,42.588 170.519,42.334 R79_2.2@170.519,41.791
  Top Layer w0.381: U8_2.6@161.333,43.858 160.359,43.858 160.105,43.604 160.105,41.953 160.359,41.699 164.077,41.699 R77_2.1@164.169,41.791
NetR77_3_1: R77_3.1 R79_3.2 U8_3.6 | length 14.6
  Top Layer w0.254: R77_3.1@229.277,41.664 229.277,41.739 229.999,42.461 235.373,42.461 235.627,42.207 R79_3.2@235.627,41.664
  Top Layer w0.381: U8_3.6@226.441,43.731 225.467,43.731 225.213,43.477 225.213,41.826 225.467,41.572 229.185,41.572 R77_3.1@229.277,41.664
NetR77_4_1: R77_4.1 R79_4.2 U8_4.6 | length 14.6
  Top Layer w0.254: R77_4.1@294.386,41.748 294.386,41.823 295.108,42.545 300.482,42.545 300.736,42.291 R79_4.2@300.736,41.748
  Top Layer w0.381: U8_4.6@291.55,43.815 290.576,43.815 290.322,43.561 290.322,41.91 290.576,41.656 294.294,41.656 R77_4.1@294.386,41.748
RST'_1_1: R1_1.1 SW1_1.9 U1_1.19 | length 98.7
  Top Layer w0.254: R1_1.1@121.934,137.299 118.876,137.299 118.074,138.101 109.133,138.101 SW1_1.9@108.204,137.172 107.061,136.029 107.061,111.659 107.569,111.151 147.32,111.151 147.828,111.659 147.828,124.171 145.596,126.403 U1_1.19@144.214,126.403
RST'_1_2: R1_2.1 SW1_2.9 U1_2.19 | length 98.7
  Top Layer w0.254: R1_2.1@252.363,138.315 249.305,138.315 248.503,139.117 239.562,139.117 SW1_2.9@238.633,138.188 237.49,137.045 237.49,112.675 237.998,112.167 277.749,112.167 278.257,112.675 278.257,125.187 276.025,127.419 U1_2.19@274.643,127.419
S/M'_1_1: R4_1.1 SW1_1.12 U1_1.8 | length 32.7
  Top Layer w0.254: SW1_1.12@108.204,129.552 109.488,130.836 122.301,130.836 ; R4_1.1@121.934,129.57 121.92,129.584 121.92,130.455 122.301,130.836 ; U1_1.8@136.964,127.703 135.184,127.703 134.366,126.885 128.103,126.885 124.152,130.836 122.301,130.836
S/M'_1_2: R4_2.1 SW1_2.12 U1_2.8 | length 32.7
  Top Layer w0.254: SW1_2.12@238.633,130.568 239.917,131.852 252.73,131.852 ; R4_2.1@252.363,130.586 252.349,130.6 252.349,131.471 252.73,131.852 ; U1_2.8@267.393,128.719 265.613,128.719 264.795,127.901 258.532,127.901 254.581,131.852 252.73,131.852
SCKI_1: J22.9 P19.1 U1_1.18 | length 105.1
  Top Layer w0.254: U1_1.18@144.214,125.753 145.527,125.753 147.32,123.96 147.32,119.38 v1(146.812,118.872) ; v1@160.274,131.699 v1(160.147,131.572) 160.147,117.348 161.925,115.57 191.389,115.57 192.437,116.618 J22.9@192.437,132.842
  Bottom Layer w0.254: v1(146.812,118.872) 155.829,118.872 157.226,120.269 157.226,130.429 158.496,131.699 P19.1@167.386,131.699
SCKI_2: J22.7 P19.2 U1_2.18 | length 187.4
  Top Layer w0.254: P19.2@169.926,131.699 168.656,130.429 168.656,120.142 169.164,119.634 189.357,119.634 191.437,121.714 J22.7@191.437,132.842 191.437,137.97 195.453,141.986 284.861,141.986 286.004,140.843 286.004,121.158 284.226,119.38 v1(279.527,119.38) ; U1_2.18@274.643,126.769 275.956,126.769 277.749,124.976 277.749,119.634 v1(277.495,119.38)
  Bottom Layer w0.254: v1(277.495,119.38) v1(279.527,119.38)
SCL: J22.15 R81.1 SW4_1.2 SW4_2.2 SW4_3.2 SW4_4.2 | length 334.4
  Top Layer w0.254: SW4_1.2@67.183,83.439 69.342,83.439 69.596,83.693 69.596,109.855 70.485,110.744 104.14,110.744 105.283,109.601 105.283,105.156 106.172,104.267 133.858,104.267 134.366,103.759 ; SW4_2.2@132.292,83.482 134.028,83.482 134.366,83.82 134.366,103.759 ; R81.1@194.31,124.114 194.31,123.19 194.564,122.936 195.326,122.936 v1@195.437,122.936 ; J22.15@195.437,132.842 195.437,125.095 195.359,125.016 195.359,124.412 195.437,124.333 195.437,122.952 v1(195.453,122.936) v1@195.437,122.936 ; SW4_3.2@197.4,83.355 198.374,84.329 198.374,109.093 197.358,110.109 v1@195.834,110.109 ; SW4_4.2@262.509,83.439 261.112,83.439 260.096,84.455 260.096,103.505 258.572,105.029 236.982,105.029 236.347,105.664 236.347,109.728 234.696,111.379 197.104,111.379 195.921,110.196 v1@195.834,110.109 ; 134.366,103.759 134.493,103.759 135.128,104.394 144.78,104.394 145.542,105.156 145.542,108.966 146.685,110.109 v1@195.834,110.109 ; v1@195.437,122.936 195.437,110.681 195.834,110.284 v1@195.834,110.109
  other v1: 195.834,110.196
SCL_VG_1: SW4_1.3 U7_1.4 | length 61.9
  Top Layer w0.152: SW4_1.3@74.803,83.439 74.803,70.358 76.2,68.961 v1(81.915,68.961) ; v1(85.698,69.056) 94.329,69.056 95.377,70.104 102.997,70.104 103.886,70.993 103.886,77.724 v1(104.775,78.613) ; v1(108.204,78.486) 109.601,77.089 U7_1.4@114.476,77.089
  Bottom Layer w0.152: v1(81.915,68.961) 82.042,69.088 v1@85.725,69.088 ; v1(104.775,78.613) 104.838,78.549 108.14,78.549 v1(108.204,78.486)
SCL_VG_2: SW4_2.3 U7_2.4 | length 64.9
  Top Layer w0.152: SW4_2.3@139.912,83.482 138.938,82.508 138.938,70.612 140.97,68.58 v1@147.32,68.58 ; v1(150.876,68.58) 156.464,68.58 158.115,70.231 168.783,70.231 169.799,71.247 v1(169.799,79.121) ; v1(172.847,79.121) 174.741,77.227 178.543,77.227 178.808,76.962 U7_2.4@179.859,76.962
  Bottom Layer w0.152: v1(147.33,68.538) 147.372,68.58 v1(150.876,68.58) ; v1(169.799,79.121) v1(172.847,79.121)
SCL_VG_3: SW4_3.3 U7_3.4 | length 63
  Top Layer w0.152: SW4_3.3@205.02,83.355 205.02,70.316 206.375,68.961 212.344,68.961 v1@212.471,68.834 ; v1(214.621,68.989) 223.802,68.989 224.663,69.85 233.934,69.85 235.077,70.993 235.077,78.613 v1(235.458,78.994) ; v1(238.125,79.121) 238.175,79.121 240.588,76.708 U7_3.4@244.653,76.708
  Bottom Layer w0.152: v1(212.465,68.935) 212.491,68.961 v1@214.63,68.961 ; v1(235.458,78.994) 235.522,79.057 238.061,79.057 v1(238.125,79.121)
SCL_VG_4: SW4_4.3 U7_4.4 | length 60.1
  Top Layer w0.152: SW4_4.3@270.129,83.439 269.909,83.219 269.909,82.81 269.875,82.776 269.875,72.898 270.891,71.882 v1(277.241,71.882) ; v1(280.035,71.882) 281.559,70.358 299.847,70.358 300.736,71.247 v1(300.736,78.486) ; v1(303.911,78.613) 305.689,76.835 U7_4.4@309.864,76.835
  Bottom Layer w0.152: v1(277.241,71.882) v1(280.035,71.882) ; v1(300.736,78.486) 303.784,78.486 v1(303.911,78.613)